# Allegro board 8880F5-0823_1_maisha.brd (continued)
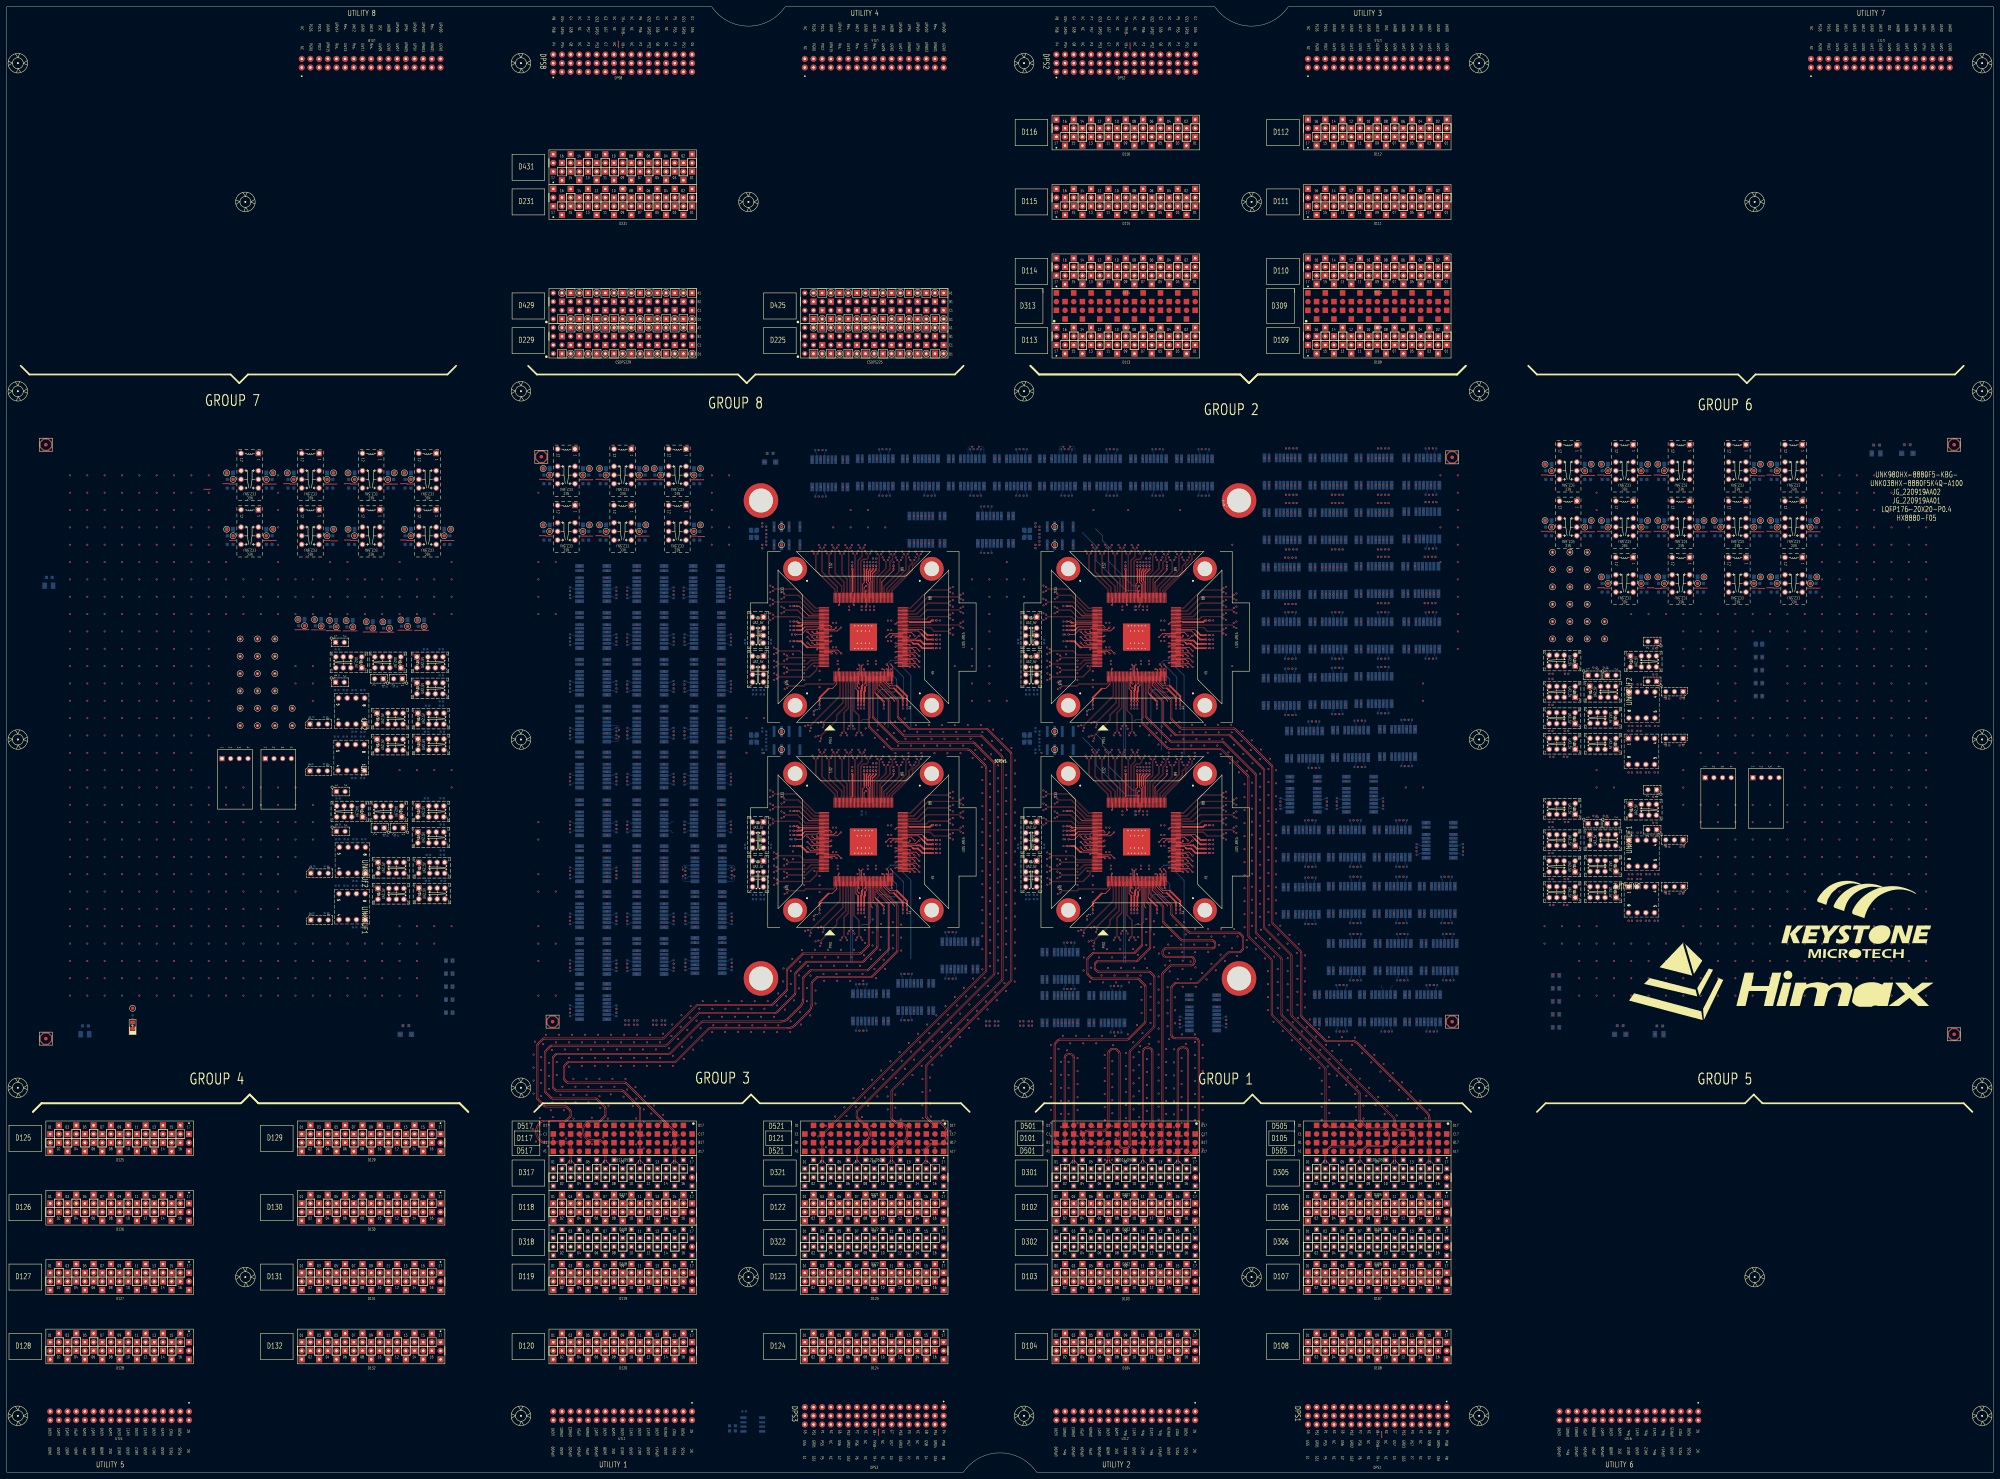
[diagram p0: board, top side]
## Placement (name value [footprint] x y rotation side) (continued)
NOREF#1974  -  []  451.68 195.91 0 top
NOREF#1975  -  []  201.49 178.86 90 top
NOREF#1976  -  []  310.43 254.01 0 top
NOREF#1977  -  []  103.93 235.64 90 top
NOREF#1978  -  []  346.08 296.86 0 top
NOREF#1979  -  []  311.69 288.91 90 top
NOREF#1980  -  []  378.33 209.11 0 top
NOREF#1981  -  []  337.09 223.52 90 top
NOREF#1982  -  []  331.62 265.55 0 top
NOREF#1983  -  []  209.23 195.52 90 top
NOREF#1984  -  []  177.33 160.4 90 top
NOREF#1985  -  []  283.25 147.43 90 top
NOREF#1986  -  []  404.15 289.12 0 top
NOREF#1987  -  []  343.31 224.72 0 top
NOREF#1988  -  []  451.68 186.77 0 top
NOREF#1989  -  []  472.86 210.36 90 top
NOREF#1990  -  []  296.96 192.14 0 top
NOREF#1991  -  []  192.57 242.68 90 top
NOREF#1992  -  []  331.54 252.73 90 top
NOREF#1993  -  []  199.33 226.57 0 top
NOREF#1994  -  []  226.83 209.63 90 top
NOREF#1995  -  []  230.73 246.66 0 top
NOREF#1996  -  []  124.39 214.79 0 top
NOREF#1997  -  []  229.51 189.2 0 top
NOREF#1998  -  []  251.94 205.86 90 top
NOREF#1999  -  []  342.36 225.04 90 top
NOREF#2000  -  []  465.31 230.2 0 top
NOREF#2001  -  []  400.91 207.71 0 top
NOREF#2002  -  []  219.81 273.69 90 top
NOREF#2003  -  []  381.74 249.11 0 top
NOREF#2004  -  []  107.18 246.83 90 top
NOREF#2005  -  []  128.05 273.87 90 top
NOREF#2006  -  []  118.45 239.39 0 top
NOREF#2007  -  []  182.82 230.19 90 top
NOREF#2008  -  []  406.95 131.44 90 top
NOREF#2009  -  []  184.47 215.35 90 top
NOREF#2010  -  []  209.23 250.38 90 top
NOREF#2011  -  []  378.75 224.15 90 top
NOREF#2012  -  []  295.19 271.65 90 top
NOREF#2013  -  []  309.51 187.93 0 top
NOREF#2014  -  []  252.83 264.65 90 top
NOREF#2015  -  []  450.03 182.17 0 top
NOREF#2016  -  []  375.73 194.78 90 top
NOREF#2017  -  []  251.06 225.04 90 top
NOREF#2018  -  []  251.94 264.65 90 top
NOREF#2019  -  []  251.05 205.86 90 top
NOREF#2020  -  []  297.83 234.63 90 top
NOREF#2021  -  []  419.9 288.67 90 top
NOREF#2022  -  []  166.06 216.47 90 top
NOREF#2023  -  []  300.36 248.49 0 top
NOREF#2024  -  []  201.23 187.92 90 top
NOREF#2025  -  []  253.72 265.86 90 top
NOREF#2026  -  []  246.23 233.13 0 top
NOREF#2027  -  []  106.76 222.88 0 top
NOREF#2028  -  []  367.13 287.22 0 top
NOREF#2029  -  []  408.28 129.99 0 top
NOREF#2030  -  []  235.85 288.61 90 top
NOREF#2031  -  []  415.61 179.97 90 top
NOREF#2032  -  []  209.59 174.36 90 top
NOREF#2033  -  []  383.09 257.11 0 top
NOREF#2034  -  []  309.51 189.2 0 top
NOREF#2035  -  []  339.97 264.35 90 top
NOREF#2036  -  []  254.29 265.56 0 top
NOREF#2037  -  []  310.43 253.37 90 top
NOREF#2038  -  []  192.47 182.06 90 top
NOREF#2039  -  []  272.55 245.18 0 top
NOREF#2040  -  []  194.09 173.86 90 top
NOREF#2041  -  []  262.36 165.04 90 top
NOREF#2042  -  []  334.29 205.56 90 top
NOREF#2043  -  []  463.11 230.2 0 top
NOREF#2044  -  []  331.38 223.52 90 top
NOREF#2045  -  []  373.32 164.66 90 top
NOREF#2046  -  []  201.21 273.5 90 top
NOREF#2047  -  []  167.7 201.89 90 top
NOREF#2048  -  []  259.65 204.65 90 top
NOREF#2049  -  []  201.23 247.18 90 top
NOREF#2050  -  []  352.25 184.23 0 top
NOREF#2051  -  []  201.21 276.04 90 top
NOREF#2052  -  []  377.23 273.11 0 top
NOREF#2053  -  []  331.38 163.52 90 top
NOREF#2054  -  []  165.8 226.57 90 top
NOREF#2055  -  []  341.63 233.83 90 top
NOREF#2056  -  []  250.17 225.04 90 top
NOREF#2057  -  []  122.15 222.33 0 top
NOREF#2058  -  []  384.36 131.89 0 top
NOREF#2059  -  []  235.85 296.61 0 top
NOREF#2060  -  []  352.25 183.59 90 top
NOREF#2061  -  []  192.57 147.18 90 top
NOREF#2062  -  []  166.06 175.58 90 top
NOREF#2063  -  []  379.48 255.21 90 top
NOREF#2064  -  []  351.04 245.5 0 top
NOREF#2065  -  []  167.7 206.29 90 top
NOREF#2066  -  []  106.76 210.11 90 top
NOREF#2067  -  []  262.68 224.74 90 top
NOREF#2068  -  []  218.13 274.06 0 top
NOREF#2069  -  []  167.7 132.72 90 top
NOREF#2070  -  []  399.99 164.91 90 top
NOREF#2071  -  []  288.74 290.13 90 top
NOREF#2072  -  []  424.98 146.43 90 top
NOREF#2073  -  []  284.77 288.86 0 top
NOREF#2074  -  []  310.73 186.66 0 top
NOREF#2075  -  []  184.47 227.72 0 top
NOREF#2076  -  []  397.8 179.7 90 top
NOREF#2077  -  []  210.86 187.32 90 top
NOREF#2078  -  []  254.29 265.55 0 top
NOREF#2079  -  []  353.35 288.31 90 top
NOREF#2080  -  []  200.98 260.9 90 top
NOREF#2081  -  []  387.39 297.12 0 top
NOREF#2082  -  []  310.73 189.2 0 top
NOREF#2083  -  []  408.63 274.64 90 top
NOREF#2084  -  []  165.8 171.96 0 top
NOREF#2085  -  []  106.03 217.88 90 top
NOREF#2086  -  []  194.09 242.18 90 top
NOREF#2087  -  []  303.84 288.86 0 top
NOREF#2088  -  []  93.02 247.21 90 top
NOREF#2089  -  []  228.36 262.16 45 top
NOREF#2090  -  []  317.98 225.04 90 top
NOREF#2091  -  []  451.68 214.96 0 top
NOREF#2092  -  []  118.33 289.48 90 top
NOREF#2093  -  []  419.47 241.11 90 top
NOREF#2094  -  []  393.74 131.44 90 top
NOREF#2095  -  []  463.11 186.77 0 top
NOREF#2096  -  []  461.86 182.17 90 top
NOREF#2097  -  []  333.4 265.56 0 top
NOREF#2098  -  []  199.59 171.96 0 top
NOREF#2099  -  []  385.19 281.11 0 top
NOREF#2100  -  []  301.56 171.46 0 top
NOREF#2101  -  []  376.98 241.11 0 top
NOREF#2102  -  []  419.73 131.89 90 top
NOREF#2103  -  []  330.73 265.56 90 top
NOREF#2104  -  []  194.09 146.68 90 top
NOREF#2105  -  []  328.01 286.96 0 top
NOREF#2106  -  []  367.13 271.21 0 top
NOREF#2107  -  []  274.67 286.96 0 top
NOREF#2108  -  []  471.21 168.33 0 top
NOREF#2109  -  []  326.43 288.31 90 top
NOREF#2110  -  []  192.47 216.45 90 top
NOREF#2111  -  []  184.47 214 90 top
NOREF#2112  -  []  352.25 189.82 0 top
NOREF#2113  -  []  327.57 264.65 90 top
NOREF#2114  -  []  175.7 148.38 90 top
NOREF#2115  -  []  390.69 257.11 0 top
NOREF#2116  -  []  473.79 196.21 0 top
NOREF#2117  -  []  336.77 165.04 90 top
NOREF#2118  -  []  127.99 214.79 0 top
NOREF#2119  -  []  352.25 249.18 90 top
NOREF#2120  -  []  450.03 234.74 0 top
NOREF#2121  -  []  406.65 223.21 90 top
NOREF#2122  -  []  303.56 233.86 90 top
NOREF#2123  -  []  369.38 241.11 0 top
NOREF#2124  -  []  168.69 292.55 90 top
NOREF#2125  -  []  462.06 277.31 90 top
NOREF#2126  -  []  272.25 242.32 90 top
NOREF#2127  -  []  229.51 186.66 0 top
NOREF#2128  -  []  471.59 130.36 90 top
NOREF#2129  -  []  373.93 281.11 0 top
NOREF#2130  -  []  254.29 204.35 90 top
NOREF#2131  -  []  201.23 214 90 top
NOREF#2132  -  []  167.7 176.66 90 top
NOREF#2133  -  []  119.7 238.84 0 top
NOREF#2134  -  []  249.28 165.04 90 top
NOREF#2135  -  []  390.69 241.11 0 top
NOREF#2136  -  []  258.35 288.91 90 top
NOREF#2137  -  []  331.62 265.56 90 top
NOREF#2138  -  []  194.09 160.4 90 top
NOREF#2139  -  []  465.45 273.87 90 top
NOREF#2140  -  []  271.34 249.5 0 top
NOREF#2141  -  []  339.65 205.86 90 top
NOREF#2142  -  []  310.73 189.2 0 top
NOREF#2143  -  []  272.24 241.05 90 top
NOREF#2144  -  []  319.33 176.03 90 top
NOREF#2145  -  []  351.04 241.69 0 top
NOREF#2146  -  []  368.28 281.11 0 top
NOREF#2147  -  []  175.7 195.52 90 top
NOREF#2148  -  []  93.76 290.38 90 top
NOREF#2149  -  []  413.71 178.82 90 top
NOREF#2150  -  []  201.23 190.12 90 top
NOREF#2151  -  []  230.43 243.09 90 top
NOREF#2152  -  []  311.15 159.63 90 top
NOREF#2153  -  []  184.47 187.92 90 top
NOREF#2154  -  []  175.7 189.02 90 top
NOREF#2155  -  []  381.2 226.12 90 top
NOREF#2156  -  []  250.73 204.35 90 top
NOREF#2157  -  []  332.83 204.65 90 top
NOREF#2158  -  []  108.01 195.15 0 top
NOREF#2159  -  []  371.48 241.11 0 top
NOREF#2160  -  []  127.84 167.9 90 top
NOREF#2161  -  []  272.55 183.91 0 top
NOREF#2162  -  []  272.24 249.18 90 top
NOREF#2163  -  []  342.68 223.52 90 top
NOREF#2164  -  []  184.89 186.02 90 top
NOREF#2165  -  []  251.38 164.74 90 top
NOREF#2166  -  []  467.51 186.77 0 top
NOREF#2167  -  []  385.19 257.11 0 top
NOREF#2168  -  []  330.17 165.04 90 top
NOREF#2169  -  []  337.9 246.35 90 top
NOREF#2170  -  []  398.65 265.37 0 top
NOREF#2171  -  []  329.28 223.82 90 top
NOREF#2172  -  []  188.08 291.65 90 top
NOREF#2173  -  []  309.05 211.67 0 top
NOREF#2174  -  []  271.04 184.23 0 top
NOREF#2175  -  []  199.33 212.85 0 top
NOREF#2176  -  []  199.33 199.39 90 top
NOREF#2177  -  []  478.57 277.31 90 top
NOREF#2178  -  []  334.29 204.35 90 top
NOREF#2179  -  []  310.43 193.37 90 top
NOREF#2180  -  []  112.41 214.71 0 top
NOREF#2181  -  []  451.64 222.5 0 top
NOREF#2182  -  []  310.43 187.61 0 top
NOREF#2183  -  []  182.82 216.47 90 top
NOREF#2184  -  []  328.96 164.74 0 top
NOREF#2185  -  []  396.55 289.12 0 top
NOREF#2186  -  []  118.7 195.7 0 top
NOREF#2187  -  []  312.25 211.67 90 top
NOREF#2188  -  []  327.25 264.35 90 top
NOREF#2189  -  []  249.6 163.52 90 top
NOREF#2190  -  []  387.08 154.88 0 top
NOREF#2191  -  []  182.57 144.78 0 top
NOREF#2192  -  []  184.47 214 0 top
NOREF#2193  -  []  167.7 192.32 90 top
NOREF#2194  -  []  424.05 163.64 90 top
NOREF#2195  -  []  302.71 132.91 90 top
NOREF#2196  -  []  258.2 186.67 0 top
NOREF#2197  -  []  209.33 201.79 90 top
NOREF#2198  -  []  395.2 249.11 0 top
NOREF#2199  -  []  383.83 194.68 90 top
NOREF#2200  -  []  352.24 249.18 90 top
NOREF#2201  -  []  271.04 244.23 0 top
NOREF#2202  -  []  283.21 270.2 90 top
NOREF#2203  -  []  453.88 195.91 0 top
NOREF#2204  -  []  300.01 288.41 90 top
NOREF#2205  -  []  400.24 195.88 90 top
NOREF#2206  -  []  118.7 217.73 90 top
NOREF#2207  -  []  201.49 173.11 0 top
NOREF#2208  -  []  396.55 225.11 0 top
NOREF#2209  -  []  106.18 160.58 90 top
NOREF#2210  -  []  94.68 234.24 0 top
NOREF#2211  -  []  240.5 288.61 0 top
NOREF#2212  -  []  248.96 164.72 0 top
NOREF#2213  -  []  415.1 163.64 0 top
NOREF#2214  -  []  124.1 238.84 0 top
NOREF#2215  -  []  66.26 271.33 90 top
NOREF#2216  -  []  337.9 186.99 0 top
NOREF#2217  -  []  465.81 179.15 0 top
NOREF#2218  -  []  321.35 296.86 0 top
NOREF#2219  -  []  230.43 194.01 0 top
NOREF#2220  -  []  555.66 300.54 90 top
NOREF#2221  -  []  352.55 242.64 0 top
NOREF#2222  -  []  310.41 246.34 90 top
NOREF#2223  -  []  306.27 216.63 90 top
NOREF#2224  -  []  371.48 257.11 0 top
NOREF#2225  -  []  352.25 185.5 0 top
NOREF#2226  -  []  247.57 204.65 90 top
NOREF#2227  -  []  306.71 131.64 0 top
NOREF#2228  -  []  124.35 187.53 0 top
NOREF#2229  -  []  119.95 222.33 0 top
NOREF#2230  -  []  260.6 286.96 90 top
NOREF#2231  -  []  155.57 291.65 90 top
NOREF#2232  -  []  375.22 180.15 0 top
NOREF#2233  -  []  403.99 180.15 0 top
NOREF#2234  -  []  383.07 163.44 90 top
NOREF#2235  -  []  333.4 205.56 90 top
NOREF#2236  -  []  237.57 269.63 90 top
NOREF#2237  -  []  419.65 256.92 90 top
NOREF#2238  -  []  339.65 204.65 90 top
NOREF#2239  -  []  230.73 243.41 0 top
NOREF#2240  -  []  377.48 289.17 90 top
NOREF#2241  -  []  262.36 296.86 0 top
NOREF#2242  -  []  165.8 144.78 0 top
NOREF#2243  -  []  396.28 180.2 90 top
NOREF#2244  -  []  308.91 139.64 0 top
NOREF#2245  -  []  388.66 139.89 0 top
NOREF#2246  -  []  390.59 195.9 90 top
NOREF#2247  -  []  127.7 238.84 0 top
NOREF#2248  -  []  495.08 277.31 90 top
NOREF#2249  -  []  224.65 271.67 0 top
NOREF#2250  -  []  339.33 205.56 0 top
NOREF#2251  -  []  199.59 158.5 0 top
NOREF#2252  -  []  336.77 223.82 90 top
NOREF#2253  -  []  387.08 171.64 0 top
NOREF#2254  -  []  384.17 180.15 90 top
NOREF#2255  -  []  313.98 143.79 90 top
NOREF#2256  -  []  251.54 252.73 90 top
NOREF#2257  -  []  192.47 250.38 90 top
NOREF#2258  -  []  175.8 187.82 90 top
NOREF#2259  -  []  405.5 257.37 90 top
NOREF#2260  -  []  399.67 139.89 0 top
NOREF#2261  -  []  263.31 224.74 0 top
NOREF#2262  -  []  240.83 194.63 0 top
NOREF#2263  -  []  246.63 130.24 90 top
NOREF#2264  -  []  451.68 186.77 0 top
NOREF#2265  -  []  175.7 150.58 90 top
NOREF#2266  -  []  425.2 161.74 90 top
NOREF#2267  -  []  182.57 254 90 top
NOREF#2268  -  []  208.98 259.8 90 top
NOREF#2269  -  []  383.01 139.89 0 top
NOREF#2270  -  []  107.76 238.84 0 top
NOREF#2271  -  []  406.19 171.64 0 top
NOREF#2272  -  []  339.33 264.35 90 top
NOREF#2273  -  []  405.93 224.56 90 top
NOREF#2274  -  []  118.33 273.87 90 top
NOREF#2275  -  []  184.47 149.48 90 top
NOREF#2276  -  []  343.63 223.82 90 top
NOREF#2277  -  []  479.44 239.09 0 top
NOREF#2278  -  []  352.55 185.18 0 top
NOREF#2279  -  []  201.23 201.89 90 top
NOREF#2280  -  []  272.25 244.23 0 top
NOREF#2281  -  []  297.83 174.63 90 top
NOREF#2282  -  []  192.47 164.3 90 top
NOREF#2283  -  []  327.15 286.96 90 top
NOREF#2284  -  []  310.41 193.37 90 top
NOREF#2285  -  []  166.06 189.04 90 top
NOREF#2286  -  []  118.7 222.88 0 top
NOREF#2287  -  []  453.88 230.2 0 top
NOREF#2288  -  []  397.38 180.15 90 top
NOREF#2289  -  []  392.04 224.85 90 top
NOREF#2290  -  []  201.91 145.63 90 top
NOREF#2291  -  []  385.19 273.11 0 top
NOREF#2292  -  []  392.04 257.11 90 top
NOREF#2293  -  []  410.27 257.37 0 top
NOREF#2294  -  []  167.7 134.07 90 top
NOREF#2295  -  []  410.78 131.89 0 top
NOREF#2296  -  []  100.98 195.15 0 top
NOREF#2297  -  []  172.08 289.11 90 top
NOREF#2298  -  []  127.95 187.53 0 top
NOREF#2299  -  []  107.02 179.19 0 top
NOREF#2300  -  []  397.3 209.36 0 top
NOREF#2301  -  []  330.17 223.82 90 top
NOREF#2302  -  []  400.85 281.11 0 top
NOREF#2303  -  []  223.56 185.29 90 top
NOREF#2304  -  []  408.63 290.39 90 top
NOREF#2305  -  []  223.56 245.29 90 top
NOREF#2306  -  []  400.85 249.11 0 top
NOREF#2307  -  []  306.85 211.67 0 top
NOREF#2308  -  []  389.7 209.36 0 top
NOREF#2309  -  []  352.25 241.69 0 top
NOREF#2310  -  []  184.47 173.11 90 top
NOREF#2311  -  []  393.19 222.95 90 top
NOREF#2312  -  []  184.47 206.29 90 top
NOREF#2313  -  []  167.7 255.15 90 top
NOREF#2314  -  []  285.71 280.1 0 top
NOREF#2315  -  []  182.57 212.85 0 top
NOREF#2316  -  []  310.43 183.09 0 top
NOREF#2317  -  []  399.64 144.98 0 top
NOREF#2318  -  []  167.7 178.86 90 top
NOREF#2319  -  []  310.43 247.61 90 top
NOREF#2320  -  []  400.24 202.38 90 top
NOREF#2321  -  []  175.8 242.68 90 top
NOREF#2322  -  []  351.34 242.64 0 top
NOREF#2323  -  []  309.51 183.41 0 top
NOREF#2324  -  []  308.14 296.86 0 top
NOREF#2325  -  []  215.96 237.06 0 top
NOREF#2326  -  []  322.62 139.64 0 top
NOREF#2327  -  []  475.04 239.09 0 top
NOREF#2328  -  []  468.01 222.58 0 top
NOREF#2329  -  []  310.43 186.34 0 top
NOREF#2330  -  []  392.73 154.88 0 top
NOREF#2331  -  []  184.47 227.72 90 top
NOREF#2332  -  []  230.43 253.37 90 top
NOREF#2333  -  []  449.99 217.9 0 top
NOREF#2334  -  []  339.33 265.56 90 top
NOREF#2335  -  []  231.15 219.63 90 top
NOREF#2336  -  []  394 217.36 0 top
NOREF#2337  -  []  461.96 217.98 0 top
NOREF#2338  -  []  230.43 183.09 90 top
NOREF#2339  -  []  272.25 183.59 90 top
NOREF#2340  -  []  465.45 276.41 90 top
NOREF#2341  -  []  408.37 258.64 90 top
NOREF#2342  -  []  518.38 292.92 90 top
NOREF#2343  -  []  238.3 164.74 90 top
NOREF#2344  -  []  264.54 143.19 0 top
NOREF#2345  -  []  230.73 183.41 0 top
NOREF#2346  -  []  251.22 253.63 0 top
NOREF#2347  -  []  259.84 145.09 0 top
NOREF#2348  -  []  405.93 224.66 90 top
NOREF#2349  -  []  483.17 130.26 90 top
NOREF#2350  -  []  310.43 189.52 0 top
NOREF#2351  -  []  312.21 144.34 0 top
NOREF#2352  -  []  229.21 183.09 0 top
NOREF#2353  -  []  461.96 210.36 0 top
NOREF#2354  -  []  276.4 147.38 0 top
NOREF#2355  -  []  119.95 187.53 0 top
NOREF#2356  -  []  416.03 179.42 90 top
NOREF#2357  -  []  101.82 290.38 90 top
NOREF#2358  -  []  346.27 129.42 90 top
NOREF#2359  -  []  419.9 154.88 0 top
NOREF#2360  -  []  184.47 165.4 90 top
NOREF#2361  -  []  351.34 183.91 0 top
NOREF#2362  -  []  453.88 186.77 0 top
NOREF#2363  -  []  408.02 287.22 0 top
NOREF#2364  -  []  472.86 166.93 90 top
NOREF#2365  -  []  451.68 230.2 0 top
NOREF#2366  -  []  211.11 173.86 90 top
NOREF#2367  -  []  302.11 192.14 0 top
NOREF#2368  -  []  256.45 224.72 0 top
NOREF#2369  -  []  222.11 252.14 0 top
NOREF#2370  -  []  250.17 163.82 90 top
NOREF#2371  -  []  375.73 196.98 90 top
NOREF#2372  -  []  319.33 243.63 90 top
NOREF#2373  -  []  330.74 224.72 0 top
NOREF#2374  -  []  168.69 290.01 90 top
NOREF#2375  -  []  256.45 224.74 0 top
NOREF#2376  -  []  331.06 163.82 90 top
NOREF#2377  -  []  230.73 249.2 0 top
NOREF#2378  -  []  518.38 257.36 90 top
NOREF#2379  -  []  397.8 146.43 90 top
NOREF#2380  -  []  252.83 265.86 90 top
NOREF#2381  -  []  411.52 146.43 90 top
NOREF#2382  -  []  388.43 163.64 0 top
NOREF#2383  -  []  167.7 159.65 90 top
NOREF#2384  -  []  462.06 291.28 90 top
NOREF#2385  -  []  199.59 145.03 0 top
NOREF#2386  -  []  342.04 164.72 0 top
NOREF#2387  -  []  253.33 241.33 90 top
NOREF#2388  -  []  381.74 281.11 0 top
NOREF#2389  -  []  167.7 217.55 90 top
NOREF#2390  -  []  297.41 213.24 0 top
NOREF#2391  -  []  107.02 166.42 90 top
NOREF#2392  -  []  251.05 264.65 90 top
NOREF#2393  -  []  546.67 300.44 90 top
NOREF#2394  -  []  271.04 249.18 0 top
NOREF#2395  -  []  192.47 236.67 90 top
NOREF#2396  -  []  242.23 173.13 90 top
NOREF#2397  -  []  281.47 296.86 0 top
NOREF#2398  -  []  310.43 243.09 0 top
NOREF#2399  -  []  272.25 245.5 0 top
NOREF#2400  -  []  184.47 255.15 90 top
NOREF#2401  -  []  272.24 189.18 90 top
NOREF#2402  -  []  390.69 289.12 0 top
NOREF#2403  -  []  192.47 177.76 90 top
NOREF#2404  -  []  310.41 188.88 90 top
NOREF#2405  -  []  263.85 273.37 90 top
NOREF#2406  -  []  199.33 185.42 90 top
NOREF#2407  -  []  270.29 135.24 90 top
NOREF#2408  -  []  330.73 265.55 0 top
NOREF#2409  -  []  300.36 188.49 0 top
NOREF#2410  -  []  453.88 239.34 0 top
NOREF#2411  -  []  327.7 131.19 90 top
NOREF#2412  -  []  199.33 240.28 90 top
NOREF#2413  -  []  376.98 257.11 0 top
NOREF#2414  -  []  119.95 195.15 0 top
NOREF#2415  -  []  209.23 216.45 90 top
NOREF#2416  -  []  322.23 233.13 0 top
NOREF#2417  -  []  237.66 224.74 0 top
NOREF#2418  -  []  250.49 224.74 90 top
NOREF#2419  -  []  201.23 233.47 90 top
NOREF#2420  -  []  260.99 135.19 90 top
NOREF#2421  -  []  199.08 254 90 top
NOREF#2422  -  []  290.11 280.1 0 top
NOREF#2423  -  []  379.52 188.15 0 top
NOREF#2424  -  []  230.41 186.34 90 top
NOREF#2425  -  []  286.55 288.41 90 top
NOREF#2426  -  []  121.9 231.22 0 top
NOREF#2427  -  []  119.76 127 90 top
NOREF#2428  -  []  252.83 204.65 90 top
NOREF#2429  -  []  471.11 230.2 0 top
NOREF#2430  -  []  317.98 165.04 90 top
NOREF#2431  -  []  410.52 273.37 0 top
NOREF#2432  -  []  184.89 240.88 90 top
NOREF#2433  -  []  217.71 216.09 0 top
NOREF#2434  -  []  463.61 214.96 0 top
NOREF#2435  -  []  167.7 145.93 90 top
NOREF#2436  -  []  273.09 288.41 90 top
NOREF#2437  -  []  401.89 163.64 0 top
NOREF#2438  -  []  256.73 132.14 0 top
NOREF#2439  -  []  108.01 195.15 0 top
NOREF#2440  -  []  399.07 208.81 90 top
NOREF#2441  -  []  301.56 182.89 0 top
NOREF#2442  -  []  106.76 215.26 0 top
NOREF#2443  -  []  251.62 205.55 0 top
NOREF#2444  -  []  299.81 273.69 90 top
NOREF#2445  -  []  388.43 180.15 0 top
NOREF#2446  -  []  247.78 140.14 0 top
NOREF#2447  -  []  247.25 264.35 90 top
NOREF#2448  -  []  217.71 276.09 0 top
NOREF#2449  -  []  412.62 297.12 0 top
NOREF#2450  -  []  293.31 272.1 0 top
NOREF#2451  -  []  314.71 142.44 90 top
NOREF#2452  -  []  292.74 288.86 0 top
NOREF#2453  -  []  459.28 168.33 90 top
NOREF#2454  -  []  339.97 204.35 90 top
NOREF#2455  -  []  184.47 151.68 90 top
NOREF#2456  -  []  200.98 255.15 90 top
NOREF#2457  -  []  331.94 204.65 90 top
NOREF#2458  -  []  201.49 147.53 90 top
NOREF#2459  -  []  343.95 224.74 90 top
NOREF#2460  -  []  110.21 214.71 0 top
NOREF#2461  -  []  259.33 205.55 0 top
NOREF#2462  -  []  167.7 187.92 90 top
NOREF#2463  -  []  331.62 205.56 90 top
NOREF#2464  -  []  256.45 164.74 0 top
NOREF#2465  -  []  404.24 146.88 0 top
NOREF#2466  -  []  328.42 129.74 90 top
NOREF#2467  -  []  306.83 209.63 90 top
NOREF#2468  -  []  201.66 199.99 90 top
NOREF#2469  -  []  386.53 148.15 90 top
NOREF#2470  -  []  351.04 182.96 0 top
NOREF#2471  -  []  410.84 180.15 90 top
NOREF#2472  -  []  388.43 163.64 0 top
NOREF#2473  -  []  471.21 219.38 90 top
NOREF#2474  -  []  317.66 224.72 0 top
NOREF#2475  -  []  272.25 189.18 90 top
NOREF#2476  -  []  209.23 209.49 90 top
NOREF#2477  -  []  182.82 148.4 90 top
NOREF#2478  -  []  263.83 231.63 90 top
NOREF#2479  -  []  309.51 193.69 0 top
NOREF#2480  -  []  334.29 205.56 0 top
NOREF#2481  -  []  209.23 205.19 90 top
NOREF#2482  -  []  501.87 273.87 90 top
NOREF#2483  -  []  220.36 248.49 0 top
NOREF#2484  -  []  459.28 183.57 0 top
NOREF#2485  -  []  257.9 186.99 0 top
NOREF#2486  -  []  395.2 233.11 0 top
NOREF#2487  -  []  184.89 159.1 90 top
NOREF#2488  -  []  327.25 205.56 90 top
NOREF#2489  -  []  127.7 231.22 0 top
NOREF#2490  -  []  230.41 188.88 90 top
NOREF#2491  -  []  475.04 195.66 0 top
NOREF#2492  -  []  456.08 186.77 0 top
NOREF#2493  -  []  485.36 259.9 90 top
NOREF#2494  -  []  250.73 265.56 90 top
NOREF#2495  -  []  299.81 213.69 90 top
NOREF#2496  -  []  383.09 224.85 0 top
NOREF#2497  -  []  391.8 217.36 0 top
NOREF#2498  -  []  230.43 186.34 0 top
NOREF#2499  -  []  22.16 130.26 90 top
NOREF#2500  -  []  201.66 213.45 90 top
NOREF#2501  -  []  369.38 224.6 0 top
NOREF#2502  -  []  473.6 206.05 90 top
NOREF#2503  -  []  395.67 133.16 90 top
NOREF#2504  -  []  301.34 286.96 0 top
NOREF#2505  -  []  167.7 215.35 90 top
NOREF#2506  -  []  250.5 288.86 0 top
NOREF#2507  -  []  230.43 249.52 0 top
NOREF#2508  -  []  182.82 257.62 90 top
NOREF#2509  -  []  226.44 294.64 90 top
NOREF#2510  -  []  230.43 247.61 90 top
NOREF#2511  -  []  296.96 252.14 0 top
NOREF#2512  -  []  305.94 296.86 0 top
NOREF#2513  -  []  352.24 183.59 90 top
NOREF#2514  -  []  388.43 180.15 0 top
NOREF#2515  -  []  343.95 223.52 90 top
NOREF#2516  -  []  256.77 225.04 90 top
NOREF#2517  -  []  184.47 241.43 0 top
NOREF#2518  -  []  459.28 192.71 0 top
NOREF#2519  -  []  339.33 265.56 0 top
NOREF#2520  -  []  75.98 273.87 90 top
NOREF#2521  -  []  392.04 273.11 90 top
NOREF#2522  -  []  296.96 180.71 0 top
NOREF#2523  -  []  318.45 257.01 0 top
NOREF#2524  -  []  331.62 205.55 0 top
NOREF#2525  -  []  295.96 177.06 0 top
NOREF#2526  -  []  404.4 241.16 90 top
NOREF#2527  -  []  373.87 188.15 0 top
NOREF#2528  -  []  380.59 239.21 0 top
NOREF#2529  -  []  310.43 246.34 0 top
NOREF#2530  -  []  168.13 199.99 90 top
NOREF#2531  -  []  237.2 296.61 0 top
NOREF#2532  -  []  216.96 252.14 0 top
NOREF#2533  -  []  252.51 265.56 90 top
NOREF#2534  -  []  343.83 231.63 90 top
NOREF#2535  -  []  417.2 163.64 0 top
NOREF#2536  -  []  185.2 290.01 90 top
NOREF#2537  -  []  309.21 246.34 0 top
NOREF#2538  -  []  118.96 179.19 0 top
NOREF#2539  -  []  450.03 191.31 0 top
NOREF#2540  -  []  248.96 224.72 0 top
NOREF#2541  -  []  253.33 181.33 90 top
NOREF#2542  -  []  66.26 287.84 90 top
NOREF#2543  -  []  415.1 163.64 0 top
NOREF#2544  -  []  175.7 232.37 90 top
NOREF#2545  -  []  261.63 233.83 90 top
NOREF#2546  -  []  385.93 178.25 0 top
NOREF#2547  -  []  238.3 163.52 90 top
NOREF#2548  -  []  390.94 224.9 90 top
NOREF#2549  -  []  352.24 184.86 90 top
NOREF#2550  -  []  247.57 264.65 90 top
NOREF#2551  -  []  246.23 173.13 0 top
NOREF#2552  -  []  420.62 287.22 90 top
NOREF#2553  -  []  355.89 130.17 90 top
NOREF#2554  -  []  167.7 241.43 90 top
NOREF#2555  -  []  310.43 249.52 0 top
NOREF#2556  -  []  376.23 209.11 0 top
NOREF#2557  -  []  106.36 190.55 0 top
NOREF#2558  -  []  388.43 180.15 0 top
NOREF#2559  -  []  528.1 257.36 90 top
NOREF#2560  -  []  283.91 273.37 90 top
NOREF#2561  -  []  412.24 144.98 90 top
NOREF#2562  -  []  177.33 255.9 90 top
NOREF#2563  -  []  410.27 257.37 0 top
NOREF#2564  -  []  328.62 290.13 90 top
NOREF#2565  -  []  175.8 215.25 90 top
NOREF#2566  -  []  310.43 187.61 90 top
NOREF#2567  -  []  261.82 290.13 90 top
NOREF#2568  -  []  167.7 178.86 90 top
NOREF#2569  -  []  118.7 188.08 0 top
NOREF#2570  -  []  96.58 195.15 0 top
NOREF#2571  -  []  298.13 274.06 90 top
NOREF#2572  -  []  302.11 129.74 0 top
R1  NC/1M-1-S4  [R0402]  221.23 227.84 180 bottom
R2  NC/1M-1-S4  [R0402]  218.95 227.84 0 bottom
R3  NC/100K-1-S4  [R0402]  184.15 131.06 180 bottom
R4  NC/100K-1-S4  [R0402]  181.61 131.06 180 bottom
R5  0-5-S4  [R0402]  222.38 272.16 270 bottom
R6  1M-1-S4  [R0402]  222.38 274.32 270 bottom
R7  49.9-1-S4  [R0402]  178.5 217.52 90 bottom
R8  49.9-1-S4  [R0402]  178.5 215.38 90 bottom
R9  49.9-1-S4  [R0402]  164.91 217.52 90 bottom
R10  49.9-1-S4  [R0402]  164.91 215.38 90 bottom
R11  49.9-1-S4  [R0402]  212.03 231.24 90 bottom
R12  49.9-1-S4  [R0402]  212.03 229.1 90 bottom
R13  49.9-1-S4  [R0402]  198.44 231.24 90 bottom
R14  49.9-1-S4  [R0402]  198.44 229.1 90 bottom
R15  49.9-1-S4  [R0402]  296.06 299.66 180 bottom
R16  49.9-1-S4  [R0402]  298.21 299.66 180 bottom
R17  49.9-1-S4  [R0402]  296.06 286.07 180 bottom
R18  49.9-1-S4  [R0402]  298.21 286.07 180 bottom
R19  49.9-1-S4  [R0402]  309.27 299.66 180 bottom
R20  49.9-1-S4  [R0402]  311.42 299.66 180 bottom
R21  49.9-1-S4  [R0402]  309.27 286.07 180 bottom
R22  49.9-1-S4  [R0402]  311.42 286.07 180 bottom
R23  49.9-1-S4  [R0402]  349.4 299.66 180 bottom
R24  49.9-1-S4  [R0402]  351.55 299.66 180 bottom
R25  49.9-1-S4  [R0402]  349.4 286.07 180 bottom
R26  49.9-1-S4  [R0402]  351.55 286.07 180 bottom
R27  49.9-1-S4  [R0402]  335.94 299.66 180 bottom